# Altium PCB LPCB235R0.PcbDoc (part 4 of 7)
Units mm, origin at the board's own origin, x right, y up, seen from the top; angles counter-clockwise.
Board outline 134 x 120 mm, 6 copper layers (Top Layer, IP1(DGND), MidLayer1, MidLayer2, IP2(D3V3), Bottom Layer), stack 1.623 mm thick; 472 components, 425 nets, 2110 pads, 1126 vias.
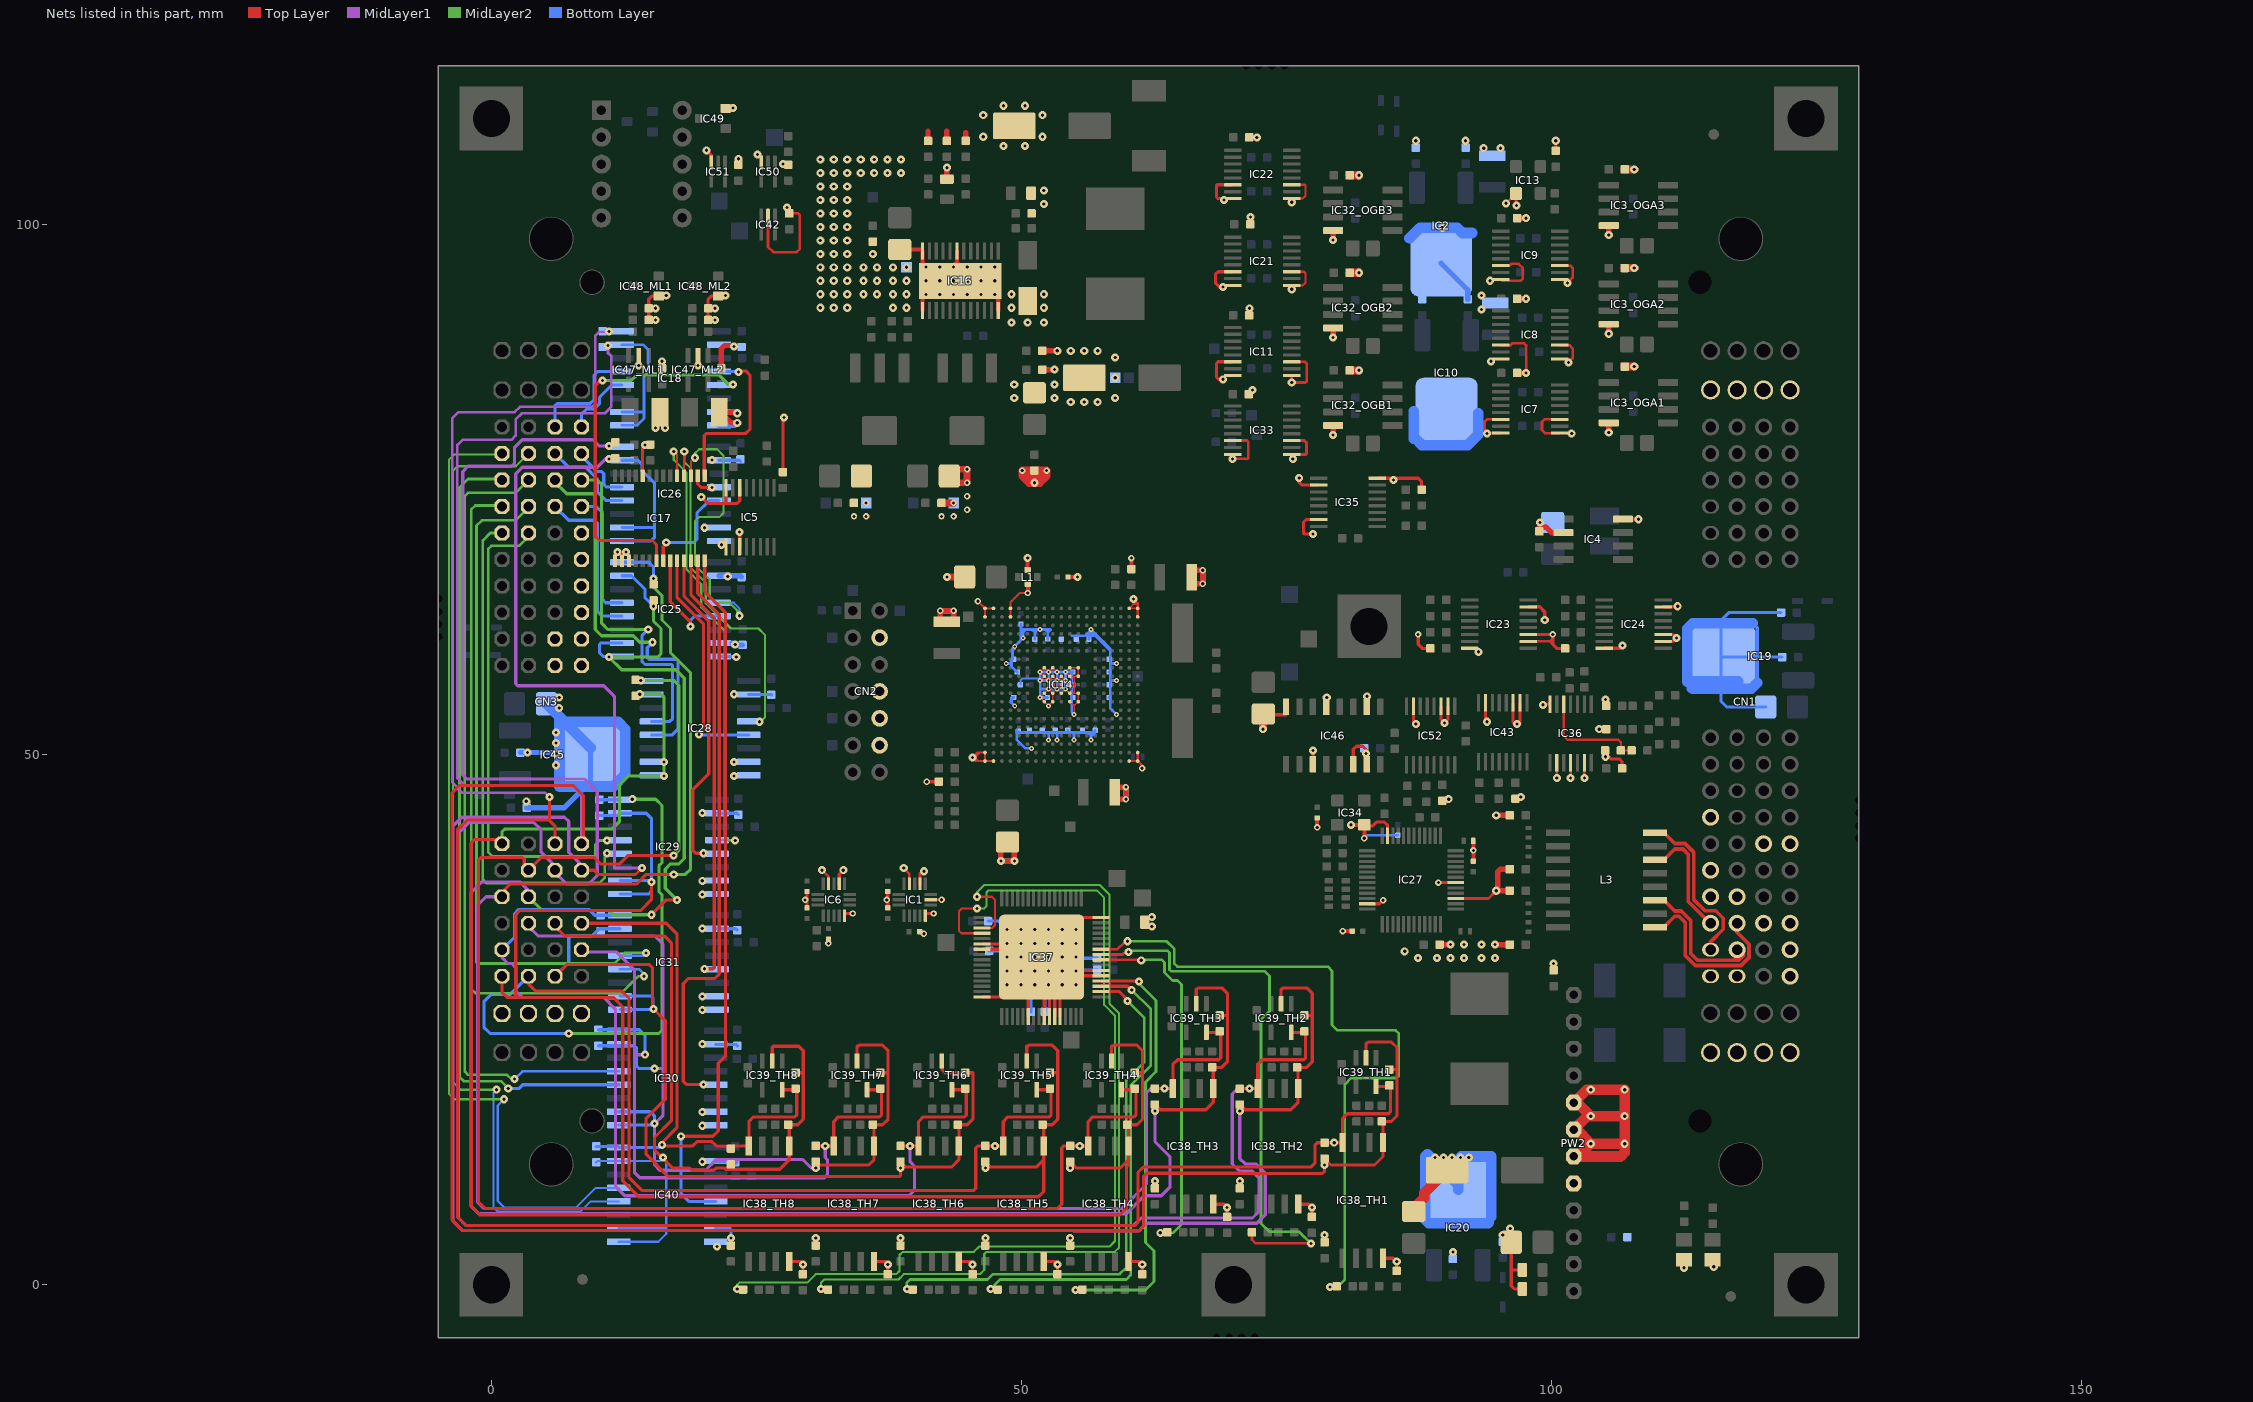
[diagram p8: the nets of this part, all layers, seen from the top]

## Via types
v1: diameter 0.762, hole 0.3, Top Layer to Bottom Layer, tented both sides, 756 vias
v2: diameter 0.61, hole 0.3, Top Layer to Bottom Layer, tented both sides, 135 vias
v3: diameter 0.457, hole 0.2, Top Layer to Bottom Layer, tented both sides, 98 vias
v4: diameter 1.016, hole 0.5, Top Layer to Bottom Layer, tented both sides, 57 vias
v5: diameter 0.6, hole 0.3, Top Layer to Bottom Layer, 30 vias
v6: diameter 0.559, hole 0.3, Top Layer to Bottom Layer, tented both sides, 24 vias
v7: diameter 0.6, hole 0.3, Top Layer to Bottom Layer, tented both sides, 18 vias
v8: diameter 1.1, hole 0.6, Top Layer to Bottom Layer, 8 vias

## Nets (pads, with @x,y where several pads share a name; then routed paths per layer and width w, separated by ;. In a path a pad name is that pad's centre, name@x,y a point inside that pad or via, vN(x,y) a via of type N, cw(c..) or ccw(c..) an arc to the next point about the centre after c; other vN are vias at no path point) (continued)
DGND: C1.2 C2.2 C3.2 C4.2 C5.2 C6.2 C7.2 C8.2 C9.2 C10.2 C11.2 C12.2 C13.2 C14_OGA1.2 C14_OGA2.2 C14_OGA3.2 C15.2 C16.2 C17.2 C18.2 C19.2 C20.2 C21.2 C22.2 C23.2 C24.2 C26.2 C29.2 C30.2 C31.2 C32.2 C33.2 C34.2 C35.2 C36.2 C37.2 C38.2 C39.2 C40.2 C41.2 C42.2 C43.2 C44.2 C45.2 C46.2 C47.2 C48.2 C49.2 C50.2 C51.2 C52.2 C53.2 C54.2 C55.2 C56.2 C57.2 C58.2 C59.2 C60.2 C62.1 C64.2 C65.2 C66.2 C67.2 C68.1 C69.2 C70.2 C71.2 C72.2 C73.2 C74.2 C77.2 C78.2 C80.2 C81.2 C82.2 C84.2 C85.2 C87.2 C88.2 C89.2 C91.2 C92.2 C95.2 C101.2 C105.2 C108.2 C109.2 C110.2 C111.2 C112_OGB1.2 C112_OGB2.2 C112_OGB3.2 C116.2 C117.2 C118.2 C119.2 C120.2 C121.2 C122.2 C123.2 C124.2 C125.2 C126.1 C133.2 C134_TH1.2 C134_TH2.2 C134_TH3.2 C134_TH4.2 C134_TH5.2 C134_TH6.2 C134_TH7.2 C134_TH8.2 C137.2 C138.2 C139.2 C140.2 C141_ML1.2 C141_ML2.2 C142_ML1.2 C142_ML2.2 C143.2 C144.2 C148.2 CE1.2 CE4.2 CE5.2 CN1.1E_B CN1.1G_A CN1.1H_B CN1.1J_B CN1.1K_B CN1.1M_B CN1.2E_B CN1.2G_A CN1.2H_B CN1.2M_B CN1.3G_A CN1.3G_B CN1.3K_B CN1.3M_B CN1.4D_B CN1.4F_B CN1.4G_A CN1.4G_B CN1.4K_B CN1.4M_B CN2.4 CN2.8 CN2.10 CN2.12 CN3.1G_A CN3.2G_A CN3.3G_A CN3.4G_A CT1.2 CT2.2 CT3.2 CT6.2 CT7.2 CT8.2 CT9.2 CT10.2 CT11.2 CT12.2 CT13.2 CT14.2 D5.2 IC1.5 IC1.7 IC1.10 IC1.12 IC2.4 IC3_OGA1.4 IC3_OGA2.4 IC3_OGA3.4 IC4.2 IC4.8 IC5.6 IC5.8 IC5.9 IC5.11 IC6.5 IC6.10 IC6.12 IC7.6 IC7.8 IC7.9 IC7.11 IC8.6 IC8.8 IC8.9 IC8.11 IC9.6 IC9.8 IC9.9 IC9.11 IC10.4 IC11.6 IC11.8 IC11.9 IC11.11 IC12.K IC13.2 IC14.A1 IC14.A2 IC14.A18 IC14.A19 IC14.B1 IC14.B19 IC14.H8 IC14.H9 IC14.H11 IC14.H12 IC14.J8 IC14.J9 IC14.J10 IC14.J11 IC14.J12 IC14.K9 IC14.K10 IC14.K11 IC14.L8 IC14.L9 IC14.L10 IC14.L11 IC14.L12 IC14.M8 IC14.M9 IC14.M11 IC14.M12 IC14.V1 IC14.V16 IC14.V19 IC14.W1 IC14.W2 IC14.W16 IC14.W18 IC14.W19 IC15.K IC16.7 IC16.12 IC16.13 IC16.24 IC16.PAD IC17.10 IC17.15 IC17.16 IC17.17 IC18.2 IC18.7 IC18.8 IC19.4 IC20.4 IC21.6 IC21.8 IC21.9 IC21.11 IC22.6 IC22.8 IC22.9 IC22.11 IC23.8 IC23.10 IC23.11 IC23.15 IC24.8 IC24.10 IC24.11 IC24.15 IC25.2 IC25.7 IC25.8 IC26.2 IC26.7 IC26.8 IC27.15 IC27.18 IC27.35 IC27.47 IC28.2 IC28.7 IC28.8 IC29.2 IC29.7 IC29.8 IC30.2 IC30.7 IC30.8 IC31.2 IC31.7 IC31.8 IC32_OGB1.4 IC32_OGB2.4 IC32_OGB3.4 IC33.6 IC33.8 IC33.9 IC33.11 IC34.2 IC35.8 IC35.10 IC35.15 IC36.7 IC36.9 IC36.11 IC36.13 IC37.6 IC37.9 IC37.10 IC37.11 IC37.12 IC37.21 IC37.22 IC37.32 IC37.54 IC37.55 IC37.64 IC37.PAD IC38_TH1.4 IC38_TH2.4 IC38_TH3.4 IC38_TH4.4 IC38_TH5.4 IC38_TH6.4 IC38_TH7.4 IC38_TH8.4 IC40.2 IC40.7 IC40.8 IC42.2 IC43.10 IC43.11 IC43.15 IC45.4 IC46.2 IC46.5 IC46.8 IC46.11 IC46.14 IC46.15 IC47_ML1.2 IC47_ML2.2 IC48_ML1.1 IC48_ML2.1 IC49.2 IC50.3 IC51.3 IC52.10 IC52.11 IC52.15 L1.G1 L1.G2 PW2.5 PW2.6 PW2.7 PW2.8 R13.2 R22_ML1.1 R22_ML2.1 R27.1 R29.1 R30.1 R43.2 R50.1 R68.1 R72.1 R77.1 R87_TH1.1 R87_TH2.1 R87_TH3.1 R87_TH4.1 R87_TH5.1 R87_TH6.1 R87_TH7.1 R87_TH8.1 R92_ML1.1 R92_ML2.1 TP15.1 TP17.1 TP19.1 TP21.1 | length 695
  Top Layer w0.152: v3(51.765,56.995) IC14.L12@52.165,57.395 ; v3(53.365,57.795) IC14.M11@52.965,58.195 v3(52.565,57.795) IC14.M12@52.165,58.195 v3(51.765,57.795) IC14.L12@52.165,57.395 ; v3(54.165,56.995) IC14.K10@53.765,56.595 ; IC14.H9@54.565,54.995 54.865,54.695 ; v3(54.965,53.795) 54.965,54.595 ; 55.065,54.695 54.865,54.695 ; v1(60.565,64.695) 60.565,64.195 ; v1@60.665,64.552 60.665,64.195 ; 60.865,64.195 60.665,64.195 ; 60.865,64.395 60.665,64.195 ; IC14.W1@60.965,63.795 IC14.W2@60.165,63.795 60.565,64.195 ; IC14.L12@52.165,57.395 v3(52.565,56.995) ; v3(52.565,56.995) IC14.L11@52.965,57.395 v3(53.365,56.995) ; v3(52.565,56.995) IC14.K11@52.965,56.595 ; IC14.J11@52.965,55.795 IC14.H11@52.965,54.995 v3(52.565,54.595) IC14.H12@52.165,54.995 v3(51.765,55.395) IC14.J12@52.165,55.795 v3(52.565,56.195) IC14.J11@52.965,55.795 ; IC14.J11@52.965,55.795 v3(53.365,56.195) ; IC14.K11@52.965,56.595 v3(53.365,56.995) ; IC14.K11@52.965,56.595 v3(53.365,56.195) ; v3(53.365,56.195) IC14.K10@53.765,56.595 ; v3(53.365,56.195) IC14.J10@53.765,55.795 v3(54.165,56.195) ; v3(53.365,56.995) IC14.L10@53.765,57.395 IC14.K9@54.565,56.595 ; v3(53.365,56.995) IC14.K10@53.765,56.595 ; v3(54.165,56.195) IC14.K9@54.565,56.595 ; v3(54.165,56.195) IC14.J9@54.565,55.795 54.865,55.795 ; IC14.K9@54.565,56.595 54.965,56.595 ; 54.865,54.695 54.965,54.595 ; 54.865,55.795 54.965,55.795 ; 54.865,55.795 54.965,55.895 ; 54.865,57.395 IC14.L9@54.565,57.395 v3(54.165,57.795) IC14.M9@54.565,58.195 IC14.M8@55.365,58.195 IC14.L8@55.365,57.395 55.065,57.395 ; 54.865,57.395 55.065,57.395 ; 54.865,57.395 54.965,57.295 ; 54.965,54.595 IC14.H8@55.365,54.995 IC14.J8@55.365,55.795 55.065,55.795 ; 54.965,55.795 54.965,55.895 ; 54.965,55.795 55.065,55.795 ; 54.965,55.895 54.965,56.595 ; 54.965,55.895 55.065,55.795 ; 54.965,56.595 54.965,57.295 ; 54.965,57.295 55.065,57.395 ; 60.565,64.195 60.665,64.195
  Top Layer w0.2: IC21.9@75.5,94.25 76.55,94.25 76.8,94.5 76.8,95.4 76.65,95.55 IC21.11@75.5,95.55 ; IC22.9@75.5,102.45 76.55,102.45 76.8,102.7 76.8,103.7 76.75,103.75 IC22.11@75.5,103.75
  Top Layer w0.203: IC1.7@41.235,36.316 v2(42.475,36.316) ; v2(45.891,64.469) IC14.W19@46.565,63.795 ; 46.018,50.157 v1@45.714,49.853 ; IC14.V19@46.565,62.995 IC14.W19@46.565,63.795 ; IC14.A18@47.365,49.395 IC14.A19@46.565,49.395 ; IC14.W18@47.365,63.795 IC14.W19@46.565,63.795 ; IC14.V16@48.965,62.995 IC14.W16@48.965,63.795 48.965,64.368 49.842,65.245 v2(50.601,65.245) ; v2@50.601,65.431 v2@50.601,65.485 ; IC14.A2@60.165,49.395 IC14.A1@60.965,49.395 ; v1(60.565,64.695) 60.965,64.295 IC14.W1@60.965,63.795 IC14.V1@60.965,62.995 ; IC14.B1@60.965,50.195 IC14.A1@60.965,49.395 ; v2(61.385,48.721) 61.385,48.975 IC14.A1@60.965,49.395 ; 45.714,49.395 45.918,49.395 ; 45.714,49.395 v1@45.714,49.599 ; 45.714,49.395 v1(45.383,49.726) 45.714,50.057 ; v1@45.714,49.599 45.918,49.395 ; v1@45.714,49.599 v1@45.714,49.853 ; v1@45.714,49.853 45.714,50.057 ; 45.714,50.057 45.852,50.195 IC14.B19@46.565,50.195 IC14.A19@46.565,49.395 ; 45.918,49.395 IC14.A19@46.565,49.395
  Top Layer w0.25: IC42.2@26.1,100.825 26.1,97.9 26.6,97.4 28.8,97.4 29.1,97.7 29.1,100.9 28.95,101.05 C137.2@28.1,101.05 ; v1(31.2,39.1) 31.815,38.485 ; v1(38.9,39.3) 39.435,38.765 IC1.12@39.435,37.616 ; IC1.10@40.435,37.616 40.435,38.8 ; v1(69.9,77.9) 71.3,77.9 71.4,78 71.4,79.5 71.275,79.625 IC33.6@69.925,79.625 ; C21.2@71.475,108.225 72.175,108.225 v1(72.2,108.2) ; IC11.9@75.5,85.75 v1(75.5,85.1) 76.8,85.1 76.9,85.2 76.9,86.9 76.75,87.05 IC11.11@75.5,87.05 ; v1(93.9,80.3) 93.7,80.5 93.7,81.4 93.925,81.625 IC7.6@95.225,81.625 ; IC8.6@95.225,88.625 96.125,88.625 96.3,88.8 97.4,88.8 97.6,88.6 v1(97.6,86) ; IC9.8@95.225,94.825 95.35,94.7 97.1,94.7 97.3,94.9 97.3,95.9 96.9,96.3 96.2,96.3 96.025,96.125 IC9.6@95.225,96.125 ; v1(95.7,102) 96.63,102.93 IC13.2@96.65,102.93 96.65,101.85 v1(96.7,101.8) ; v1(99.2,54.7) 99.275,54.775 IC36.7@99.85,54.775 ; C6.2@100.4,106.95 v1(100.4,107.9) ; v1(100.5,47.8) IC36.9@100.5,49.225 ; IC7.9@100.775,80.325 99.375,80.325 99.1,80.6 99.1,81.4 99.325,81.625 IC7.11@100.775,81.625 ; IC8.11@100.775,88.625 101.675,88.625 102,88.3 102,87.4 v1(101.6,87) ; IC9.11@100.775,96.125 101.775,96.125 102,95.9 102,95 v1(101.5,94.5) ; v1(101.8,47.8) IC36.11@101.8,49.225 ; v1(103.1,47.8) IC36.13@103.1,49.225
  Top Layer w0.254: IC23.10@97.815,60.685 99.84,60.685 ; IC23.11@97.815,61.335 v2(100.12,61.335) ; 100.12,60.405 99.84,60.685 ; v2@100.12,61.04 100.12,60.965 99.84,60.685
  Top Layer w0.3: IC17.15@11.675,68.3 11.675,68.875 v1(11.9,69.1) IC17.16@12.325,68.675 ; IC17.16@12.325,68.3 IC17.16@12.325,68.675 ; IC17.17@12.975,68.3 12.975,68.825 v1(12.7,69.1) 12.325,68.725 IC17.16@12.325,68.675 ; IC17.10@14.275,76.3 14.272,76.303 14.272,78.972 v1(14.5,79.2) ; C141_ML1.2@14.85,91 R92_ML1.1@14.85,92.1 14.85,92.95 15.15,93.25 IC48_ML1.1@15.8,93.25 ; v1(19.8,74.3) 20.4,73.7 22.1,73.7 ; v1(20.3,107) 20.75,106.55 IC51.3@20.75,105.825 ; C141_ML2.2@20.45,91 R92_ML2.1@20.45,92.1 20.45,92.95 20.75,93.25 IC48_ML2.1@21.4,93.25 ; IC5.8@22.125,75.175 22.125,73.725 22.1,73.7 ; v1(23.4,71) 23.425,70.975 IC5.11@23.425,69.625 ; IC5.6@23.425,75.175 23.425,73.925 23.2,73.7 22.1,73.7 ; C3.2@27.5,76.65 27.5,81.7 v1(27.6,81.8) ; IC38_TH8.4@28.1,2.2 29.1,2.2 29.395,1.905 R87_TH8.1@29.395,1 ; IC38_TH7.4@36.1,2.2 37.1,2.2 37.395,1.905 R87_TH7.1@37.395,1 ; IC38_TH6.4@44.1,2.2 45.1,2.2 45.395,1.905 R87_TH6.1@45.395,1 ; IC37.64@46.3,27.15 48.15,27.15 IC37.PAD@50.65,29.65 ; IC37.55@46.3,31.65 48.15,31.65 IC37.PAD@48.65,32.15 ; IC37.54@46.3,32.15 IC37.PAD@48.65,32.15 ; IC37.6@50.65,25.3 IC37.PAD@50.65,29.65 ; IC38_TH5.4@52.1,2.2 53.1,2.2 53.395,1.905 R87_TH5.1@53.395,1 ; IC37.9@52.15,25.3 IC37.PAD@52.15,30.65 ; IC37.10@52.65,25.3 52.65,27.2 IC37.PAD@53.15,27.7 ; IC37.11@53.15,25.3 IC37.PAD@53.15,27.7 ; IC37.12@53.65,25.3 IC37.PAD@53.65,28.2 ; IC37.21@57.5,29.15 55.5,29.15 IC37.PAD@55,29.65 ; IC37.22@57.5,29.65 IC37.PAD@55,29.65 ; IC37.32@57.5,34.65 55.65,34.65 IC37.PAD@51.9,30.9 ; IC38_TH4.4@60.1,2.2 61.1,2.2 61.395,1.905 R87_TH4.1@61.395,1 ; IC38_TH3.4@68.1,7.6 69.1,7.6 69.395,7.305 R87_TH3.1@69.395,6.4 ; v1(69,85.4) 68.6,85.4 68.4,85.6 68.4,86.9 68.55,87.05 IC11.6@69.95,87.05 ; v1(69,94.1) 68.7,94.1 68.3,94.5 68.3,95.3 68.55,95.55 IC21.6@69.95,95.55 ; IC22.8@69.95,102.45 68.55,102.45 68.4,102.6 68.4,103.7 68.45,103.75 IC22.6@69.95,103.75 ; CT8.2@72.815,53.825 72.885,53.755 74.955,53.755 IC46.8@74.955,54.5 ; IC33.9@75.475,78.325 76.825,78.325 76.9,78.4 76.9,79.4 76.675,79.625 IC33.11@75.475,79.625 ; IC38_TH2.4@76.1,7.6 77.1,7.6 77.395,7.305 R87_TH2.1@77.395,6.4 ; v1@76.2,76.2 76.2,75.7 76.475,75.425 IC35.10@78.025,75.425 ; IC46.11@77.495,49.1 77.495,50.395 v1(77.5,50.4) ; v1(77.5,70.8) 76.7,70.8 76.6,70.9 76.6,71.9 76.875,72.175 IC35.15@78.025,72.175 ; IC46.14@81.305,49.1 81.305,50.505 81.6,50.8 82.2,50.8 82.575,50.425 IC46.15@82.575,49.1 ; IC35.8@83.575,76.075 87.425,76.075 87.75,75.75 C117.2@87.75,75 ; IC38_TH1.4@84.1,2.5 85.1,2.5 85.395,2.205 R87_TH1.1@85.395,1.3 ; IC52.15@86.975,54.575 86.975,53.125 v1(87.2,52.9) ; IC52.11@89.575,54.575 89.575,53.325 v1(89.9,53) 90.225,53.325 IC52.10@90.225,54.575 ; IC43.15@93.775,54.875 93.775,53.225 v1(93.9,53.1) ; v1@93.925,80.325 IC7.8@95.225,80.325 ; CT3.2@96.2,4 96.2,1.4 ; IC43.11@96.375,54.875 96.375,53.025 96.5,52.9 97,52.9 97.025,52.925 IC43.10@97.025,54.875 ; C71.2@97.25,-0.4 96.5,-0.4 96.2,-0.1 96.2,1.4 ; C74.2@97.25,1.4 96.2,1.4 ; IC24.8@104.965,60.035 106.435,60.035 v1(106.7,60.3) ; v1(105.1,49.8) 105.4,49.8 105.6,49.6 106.4,49.6 106.65,49.35 C118.2@106.65,48.7 ; IC24.10@110.515,60.685 111.485,60.685 v1(111.8,61) 111.465,61.335 IC24.11@110.515,61.335 ; IC37.PAD@48.65,32.15 50.65,32.15 IC37.PAD@51.9,30.9 ; IC37.PAD@50.65,29.65 IC37.PAD@51.9,30.9 ; IC37.PAD@51.9,30.9 IC37.PAD@52.15,30.65 ; IC37.PAD@52.15,30.65 IC37.PAD@53.15,29.65 ; IC37.PAD@53.15,27.7 IC37.PAD@53.15,29.65 ; IC37.PAD@53.15,27.7 IC37.PAD@53.65,28.2 ; IC37.PAD@53.15,29.65 IC37.PAD@55,29.65 ; IC37.PAD@53.15,29.65 53.65,29.15 IC37.PAD@53.65,28.2
  Top Layer w0.305: C58.2@29.775,35.546 C95.2@29.775,37.086 ; IC6.12@31.815,37.616 31.815,38.485 ; IC6.10@32.815,37.616 32.815,38.715 v1(33.2,39.1) ; IC6.5@33.315,35.016 v2(34.093,35.016) ; C9.2@37.395,35.546 C10.2@37.395,37.086 ; 40.665,92.917 IC16.PAD@41.046,93.298 ; IC16.PAD@40.665,95.819 40.665,96.473 IC16.PAD@41.046,96.092 ; IC16.12@40.665,97.495 IC16.12@40.665,97.508 ; IC1.5@40.935,35.016 v2(41.713,35.016) ; v2(41.065,47.451) C26.2@42.22,47.451 ; IC16.PAD@43.534,96.092 43.915,96.473 IC16.PAD@44.296,96.092 ; IC16.PAD@47.434,93.298 47.815,92.917 ; IC34.2@82.34,43.38 82.46,43.26 83.102,43.26 83.483,43.641 84.245,43.641 84.535,43.351 IC27.35@84.535,42.355 ; IC27.47@82.61,35.93 83.773,35.93 v2(84.118,36.275) ; v2(87.42,61.335) 87.42,60.405 87.801,60.024 C101.2@88.575,60.024 ; v2(89.325,37.93) IC27.18@90.96,37.93 ; IC27.15@90.96,36.43 94.052,36.43 v1(94.786,37.164) ; v2(100.12,61.335) 100.12,60.405 100.501,60.024 C105.2@101.275,60.024
  Top Layer w0.33: IC23.15@97.815,63.935 98.876,63.935 99.358,63.453 v1(99.358,62.691) ; IC24.15@110.515,63.935 v1@111.576,63.935
  Top Layer w0.381: CT10.2@38.525,97.64 40.533,97.64 IC16.12@40.665,97.508 ; IC16.13@40.665,91.895 IC16.PAD@40.665,93.444 ; 40.665,96.473 IC16.12@40.665,97.495 ; IC16.PAD@43.915,95.02 IC16.7@43.915,97.495 ; IC16.24@47.815,91.895 IC16.PAD@47.815,93.444 ; L1.G2@50.59,67.43 v1(50.59,68.533) ; v2(50.601,65.245) v2@50.601,65.431 ; v2@50.601,65.485 L1.G1@50.601,66.08 ; C30.2@54.392,66.755 v1(55.289,66.755) ; R13.2@60.369,67.505 v2(60.369,68.533) ; v2(77.895,43.133) C119.2@77.895,44.03 ; v2(80.308,33.354) C24.2@81.205,33.354 ; v1(81.077,43.38) IC34.2@82.34,43.38 v2(82.34,42.117) ; R50.1@92.62,41.863 92.627,41.856 v2(92.627,40.974) C19.2@92.627,39.95
  Top Layer w0.406: IC4.8@106.73,72.216 107.232,72.216 107.216,72.2 v1(108.2,72.2)
  Top Layer w0.5: R22_ML2.1@21.5,82.3 R22_ML2.1@21.6,82.3 ; C142_ML2.2@21.7,86.45 21.7,88.3 22,88.6 v1@22.9,88.6 ; v1(23.2,81.3) 22.6,81.3 R22_ML2.1@21.6,82.3 ; v1(23.2,82.2) 23.1,82.3 R22_ML2.1@21.6,82.3 ; v1(79.4,80.15) IC32_OGB1.4@79.4,81.045 ; v1(79.4,89.35) IC32_OGB2.4@79.4,90.245 ; v1(79.4,98.55) IC32_OGB3.4@79.4,99.445 ; v1(93.9,80.3) v1@93.925,80.325 ; C8.2@96.75,86 v1(97.6,86) ; C7.2@96.75,93 v1(97.6,93) ; C1.2@96.75,100.6 v1(97.6,100.6) ; v1(105.4,80.4) IC3_OGA1.4@105.4,81.295 ; v1(105.4,89.7) IC3_OGA2.4@105.4,90.595 ; v1(105.4,99) IC3_OGA3.4@105.4,99.895
  Top Layer w0.508: R27.1@41.192,107.891 41.192,108.792 ; C69.2@42.97,104.281 v1(42.97,105.363) ; C70.2@42.97,107.891 42.97,108.792 ; R29.1@44.748,107.891 44.748,108.665 ; CT7.2@48.685,41.736 48.062,41.113 v1(48.062,39.958) v1(49.332,39.958) 49.332,41.113 CT7.2@48.685,41.76 ; C68.1@51.975,86.313 v1(53.13,86.313) ; C67.2@52.175,88.091 v1(53.384,88.091) ; R43.2@89.44,32.084 v1(90.468,32.084) ; v1(94.659,32.084) C109.2@96.068,32.084 ; v1(94.786,44.276) C108.2@95.868,44.276 ; C110.2@95.868,37.164 v1(94.786,37.164) 94.913,37.291 94.913,38.942 95.167,39.196 C111.2@95.868,39.196 ; C5.2@98.85,71.454 99.485,71.454 99.993,70.946 IC4.2@101.13,70.946 ; C45.2@42.335,62.818 42.613,62.54 C45.2@42.97,62.54 43.327,62.54 43.605,62.818 v2(43.605,63.58) v2(42.335,63.58) C45.2@42.335,62.818 ; C46.2@58.821,46.078 59.099,45.8 v2(59.861,45.8) v2(59.861,46.943) 59.099,46.943 58.821,46.665 C46.2@58.821,46.435 C46.2@58.821,46.078 ; C52.2@66.06,66.398 C52.2@66.06,66.755 66.06,67.112 66.338,67.39 v2(67.1,67.39) v2(67.1,66.12) 66.338,66.12 C52.2@66.06,66.398
  Top Layer w0.635: C65.2@42.45,73.74 v2(43.605,73.74) ; v1(42.97,66.755) CT6.2@44.645,66.755 ; CT11.2@43.2,76.28 43.835,76.915 v2(44.875,76.915) v2(44.875,75.645) 43.835,75.645 CT11.2@43.2,76.28
  Top Layer w0.762: v1(72.8,52.4) CT8.2@72.815,53.825 ; C112_OGB1.2@80.95,86.25 v1(81.85,86.25) ; C112_OGB2.2@80.95,95.45 v1(81.85,95.45) ; C112_OGB3.2@80.95,104.65 v1(81.85,104.65) ; C14_OGA1.2@106.9,86.6 v1(107.8,86.6) ; C14_OGA2.2@106.9,95.9 v1(107.8,95.9) ; C14_OGA3.2@106.9,105.2 v1(107.8,105.2) ; 50.082,76.28 v2(50.082,76.788) v2(52.368,76.788) 52.368,76.28 ; 50.082,76.28 50.717,75.645 51.733,75.645 52.368,76.28 ; 50.082,76.28 52.368,76.28
  Top Layer w1: CT14.2@86.7,6.9 88,8.2 88,8.65 CE1.2@90.15,10.8 ; PW2.6@102.1,12.1 PW2.6@102.5,12.1 ; PW2.7@102.44,14.64 PW2.7@102.36,14.64 ; PW2.7@102.36,14.64 PW2.7@102.1,14.64 103.36,15.9 v1(103.7,15.9) ; PW2.7@102.36,14.64 v1(103.7,13.3) ; PW2.6@102.5,12.1 v1(103.7,13.3) ; PW2.6@102.5,12.1 106.5,12.1 106.9,12.5 v1(106.9,13.3) ; v1(103.7,13.3) v1(106.9,13.3) ; v1(103.7,15.9) 102.42,17.18 PW2.8@102.1,17.18 103.32,18.4 v1(103.7,18.4) v1(106.9,18.4) v1(106.9,15.9) ; v1(103.7,15.9) v1(106.9,15.9) ; v1(106.9,13.3) v1(106.9,15.9)
  Bottom Layer w0.2: C42.2@49.9,56.6 49.9,57 50.1,57.2 v3@51.765,57.2
  Bottom Layer w0.25: v2(82.34,42.117) 82.623,42.4 C89.2@85.5,42.4
  Bottom Layer w0.254: v3(48.565,58.595) 49.065,58.595 ; C39.2@49.265,55.395 49.065,55.395 49.065,54.895 v3(49.365,54.595) ; C50.2@49.6,57.8 49.065,58.335 49.065,58.895 49.165,58.995 49.165,59.795 ; 49.955,60.805 49.955,61.205 ; C31.2@49.955,62.318 49.955,61.92 ; v3(50.965,50.595) 50.367,50.595 49.565,51.397 49.565,52.295 49.765,52.095 52.365,52.095 ; 51.035,61.755 51.265,61.525 ; C53.2@51.265,60.895 51.265,61.525 ; 51.765,56.195 v3(52.565,56.195) ; C44.2@52.465,55.395 v3(51.765,55.395) v3(51.765,56.995) ; C29.2@52.495,60.905 52.495,61.535 ; v3(52.565,51.395) 52.565,51.895 ; v3(53.365,51.395) 53.365,51.895 ; C41.2@54.357,52.095 C41.2@54.357,52.295 ; 54.74,61.22 56.035,61.22 ; C32.2@54.865,56.595 C32.2@54.74,56.595 ; v3(54.965,51.395) 54.965,51.895 ; v3(54.965,53.795) 54.74,54.02 C32.2@54.74,56.595 ; C54.2@56.365,60.895 56.365,61.22 ; v3@56.56,61.595 v3@56.565,61.59 ; v3(56.565,51.395) 56.565,51.695 ; 56.565,52.095 56.565,51.795 ; C36.2@56.765,52.095 C36.2@56.965,52.295 C36.2@56.965,52.095 ; C35.2@58.265,57.795 C35.2@58.388,57.795 ; 58.388,56.995 v3(58.965,56.995) ; 58.388,58.595 v3(58.965,58.595) ; v3(58.965,53.795) 58.39,54.37 58.39,55.27 C56.2@58.265,55.395 58.388,55.518 C35.2@58.388,57.795 ; 49.165,59.795 49.165,59.995 v3(49.365,60.195) ; 49.165,59.795 49.365,59.995 v3(49.365,60.195) ; v3(49.365,60.195) v3(50.165,60.995) ; 49.955,61.205 49.955,61.92 ; 49.955,61.205 v3(50.165,60.995) ; 49.955,61.92 50.08,61.795 ; 50.08,61.795 50.435,61.795 ; 50.08,61.795 50.165,61.71 50.165,61.525 ; v3(50.165,60.995) 50.165,61.525 ; 50.165,61.525 50.435,61.795 ; 50.435,61.795 51.535,61.795 ; 51.265,61.525 51.535,61.795 ; 51.535,61.795 v3(51.765,61.795) 52.235,61.795 ; v3(51.765,56.995) v3(52.565,56.995) ; v3(51.765,56.995) 51.765,57.2 v3(51.765,57.795) v3(52.565,57.795) ; 52.235,61.795 52.735,61.795 52.735,61.775 52.495,61.535 ; 52.235,61.795 52.495,61.535 ; 52.365,52.095 52.565,51.895 ; 52.365,52.095 52.565,52.095 ; 52.565,51.895 52.565,52.095 ; 52.565,51.895 52.765,52.095 ; 52.565,52.095 52.765,52.095 ; v3(52.565,56.195) v3(52.565,56.995) ; v3(52.565,56.195) v3(53.365,56.195) ; v3(52.565,56.995) v3(52.565,57.795) ; v3(52.565,56.995) v3(53.365,56.995) ; v3(52.565,57.795) v3(53.365,57.795) ; 52.765,52.095 C43.2@53.165,52.095 ; C43.2@53.165,52.095 C43.2@53.365,52.095 ; C43.2@53.165,52.095 53.365,51.895 ; 53.365,51.895 C43.2@53.365,52.095 ; 53.365,51.895 53.565,52.095 ; C43.2@53.365,52.095 53.565,52.095 ; v3(53.365,56.195) v3(53.365,56.995) ; v3(53.365,56.195) v3(54.165,56.195) 54.165,56.595 ; v3(53.365,56.995) v3(53.365,57.795) ; v3(53.365,56.995) v3(54.165,56.995) ; v3(53.365,57.795) v3(54.165,57.795) ; 53.565,52.095 54.765,52.095 ; 54.165,56.595 C32.2@54.74,56.595 ; 54.165,56.595 v3(54.165,56.995) ; v3(54.165,56.995) v3(54.165,57.795) ; v3(54.165,57.795) C47.2@54.865,57.795 54.74,57.67 C32.2@54.74,56.595 ; 54.765,52.095 54.965,52.095 ; 54.765,52.095 54.965,51.895 ; 54.965,51.895 54.965,52.095 ; 54.965,51.895 55.165,52.095 ; 54.965,52.095 55.165,52.095 ; 55.165,52.095 56.265,52.095 ; 56.035,61.22 v3@56.565,61.75 ; 56.035,61.22 56.365,61.22 ; 56.265,52.095 C36.2@56.965,52.095 ; 56.265,52.095 56.565,51.795 ; 56.365,61.22 56.365,61.32 56.565,61.52 ; 56.365,61.22 56.535,61.22 ; 56.535,61.22 56.935,61.22 ; 56.535,61.22 56.565,61.25 56.565,61.52 ; 56.565,51.695 56.565,51.795 ; 56.565,51.695 C36.2@56.965,52.095 ; 56.565,61.52 v3@56.565,61.59 ; v3@56.565,61.59 v3@56.565,61.75 ; v3@56.565,61.59 56.935,61.22 ; v3@56.565,61.75 v3(56.565,61.795) 58.388,59.972 58.388,59.767 ; 56.935,61.22 58.388,59.767 ; C35.2@58.388,57.795 58.388,59.767
  Bottom Layer w0.3: IC40.7@21.175,5.325 22.475,5.325 22.6,5.2 v1(22.6,4.4) ; IC30.2@21.175,22.675 23.075,22.675 C85.2@23.2,22.55 ; IC31.2@21.275,33.575 23.075,33.575 C91.2@23.2,33.45 ; IC29.2@21.275,44.475 23.175,44.475 C84.2@23.3,44.35 ; IC25.8@21.475,59.255 23.045,59.255 v1(23.1,59.2) ; IC26.2@21.475,77.775 23.375,77.775 C77.2@23.5,77.65 ; IC28.2@24.275,55.675 26.375,55.675 C78.2@26.4,55.65 ; C122.2@46.85,34.3 47.85,34.3 v5(48.65,33.5) ; C123.2@46.95,31.5 47.95,31.5 v5(48.65,32.2) ; C125.2@50.9,25.75 50.9,27.95 v5(51.25,28.3) ; C124.2@52.2,25.75 52.2,27.95 v5(52.55,28.3) ; v5(55.15,29.6) 55.25,29.7 C120.2@57.15,29.7 ; v5(55.15,30.9) 55.25,30.8 C121.2@57.15,30.8 ; 118.975,62.4 119.4,61.975 119.4,59.2 ; 119.4,56.771 119.4,59.2 ; CT13.2@120.2,54.5 116.5,54.5 115.982,55.018 115.982,56.2 115.982,56.9 IC19.4@115.982,59.3 ; C80.2@121.65,63.4 116.7,63.4 115.982,62.682 115.982,62.4 IC19.4@115.982,59.3 ; C81.2@121.75,59.2 119.4,59.2 ; IC19.4@115.982,59.3 116.082,59.2 119.4,59.2